# Altium PCB Dashcam_V2.0B.PcbDoc (part 6 of 8) (continued)
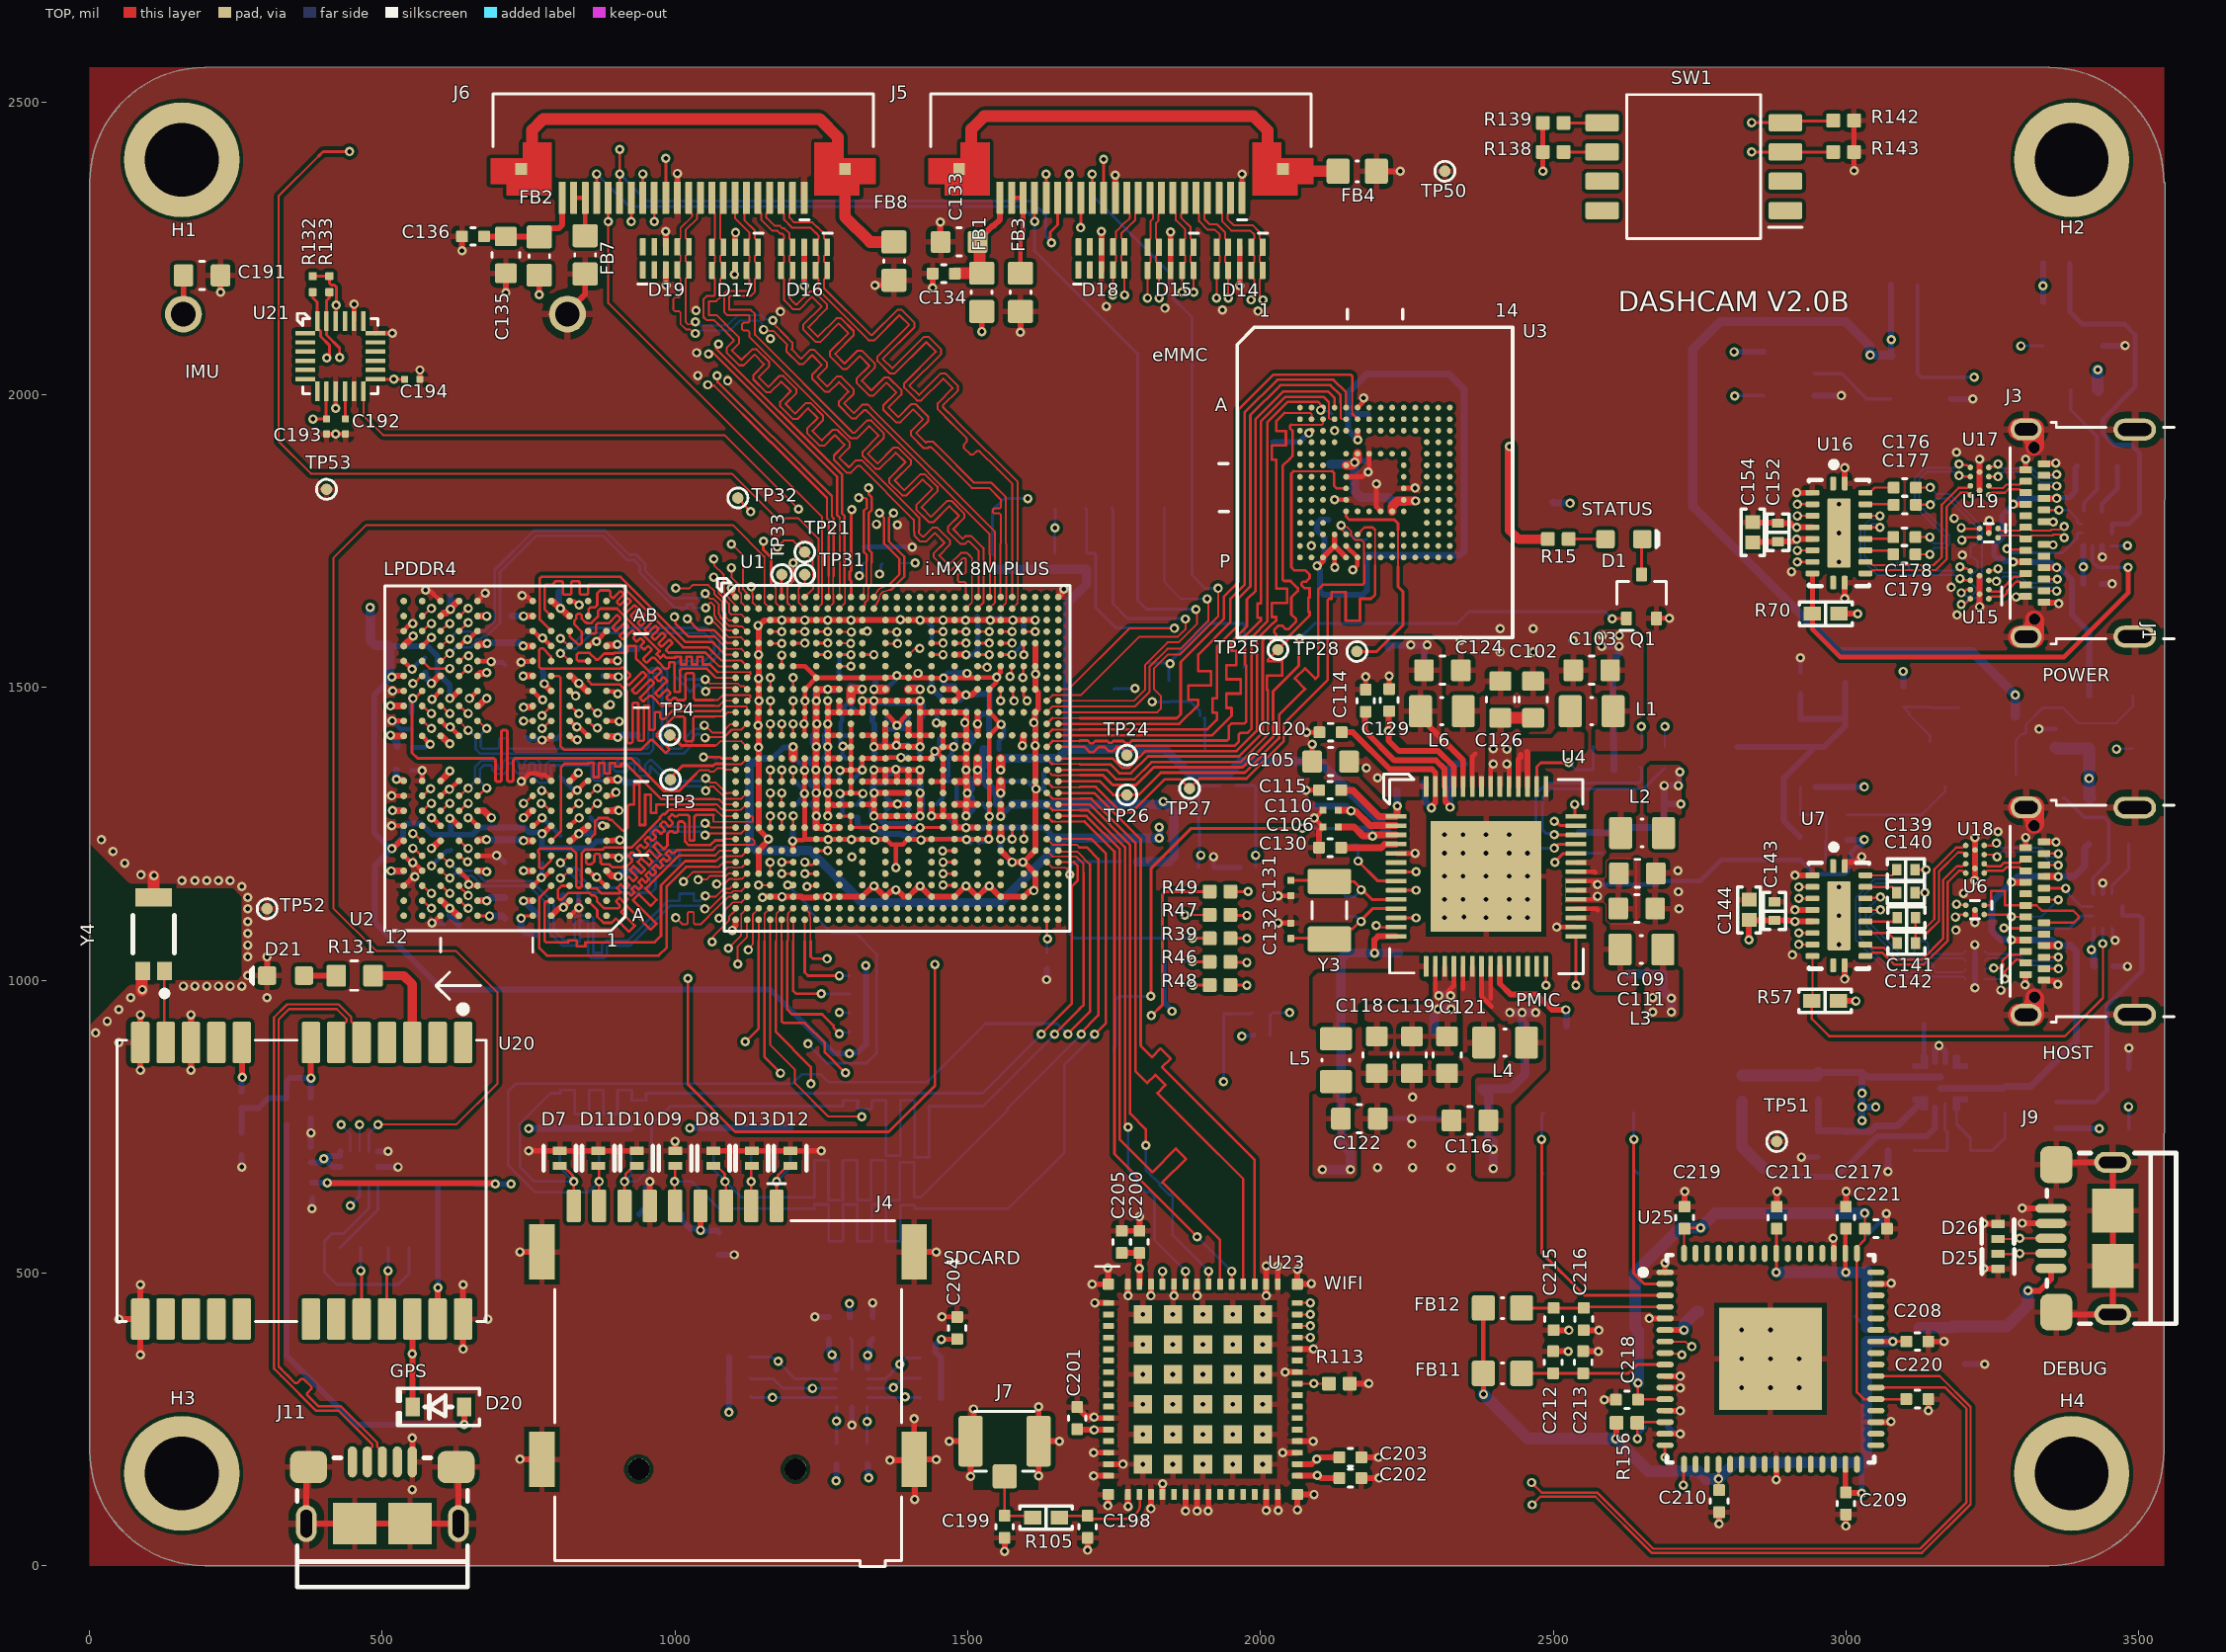
[diagram p0: TOP view]
## Nets (pads, with @x,y where several pads share a name; then routed paths per layer and width w, separated by ;. In a path a pad name is that pad's centre, name@x,y a point inside that pad or via, vN(x,y) a via of type N, cw(c..) or ccw(c..) an arc to the next point about the centre after c; other vN are vias at no path point) (continued)
NetU10_4: U10.4 U11.4 | length 1074.7
  L3_IN1 w4.72: v1(2810,1998) 2922,1998 3030,1890 3030,1728 3246,1512 3345,1512 v1(3462,1395)
  BOTTOM w4.72: v1(3462,1395) 3462.65,1395.65 U10.4@3490.16,1395.65
  BOTTOM w6: v1(2810,1998) 2810.6,1998.6 U11.4@2859.35,1998.6
NetU11_2: U11.2 U14.4 | length 148.8
  BOTTOM w6: U11.2@2946,2036 2993,2036 3036.4,1992.6 U14.4@3076.82,1992.6
NVCC_DRAM_1V1: C54.2 C55.2 C56.2 C57.2 C58.2 C59.2 C60.2 C61.2 C62.2 C77.2 C78.2 C79.2 C80.2 C81.2 C82.2 C83.2 C84.2 C85.2 C86.2 C87.2 C88.2 C89.2 C90.2 C91.2 C92.2 C124.2 C125.2 L6.2 R29.1 R30.1 TP47.1 U1.AA8 U1.AA10 U1.J8 U1.J10 U1.L8 U1.N8 U1.R8 U1.U8 U1.W8 U2.A4 U2.A9 U2.AA3 U2.AA5 U2.AA8 U2.AA10 U2.AB4 U2.AB9 U2.B3 U2.B5 U2.B8 U2.B10 U2.D1 U2.D5 U2.D8 U2.D12 U2.F3 U2.F5 U2.F8 U2.F10 U2.G2 U2.H1 U2.H5 U2.H8 U2.H12 U2.K1 U2.K3 U2.K10 U2.K12 U2.N1 U2.N3 U2.N10 U2.N12 U2.R1 U2.R5 U2.R8 U2.R12 U2.T2 U2.U3 U2.U5 U2.U8 U2.U10 U2.W1 U2.W5 U2.W8 U2.W12 U4.52 | length 2218.7
  TOP w10: U2.A4@788.5,1110.24 788.9,1110.24 801.79,1123.12 807.99,1123.12 v2(809.14,1124.27) 809.14,1124.62 820,1135.48 U2.B3@820,1135.83 ; U2.N3@820,1417.33 820.4,1417.33 825.86,1411.87 831.61,1411.87 v2(832.76,1410.73) ; L6.2@2273.18,1459.52 2287.87,1444.83 2287.87,1434.39 2345.97,1376.28 U4.52@2345.97,1330.93
  TOP w11.81: v2@517.14,1468.68 536.36,1468.68 U2.R12@536.53,1468.51 ; v2@518.14,1187.68 518.81,1187.01 U2.D12@536.53,1187.01 ; v2@518.14,1289.68 536.22,1289.68 U2.H12@536.53,1289.37 ; v2@518.14,1418.68 519.49,1417.33 U2.N12@536.53,1417.33 ; v2(523.92,1343.11) 524.72,1342.31 534.77,1342.31 U2.K12@536.53,1340.55 ; U2.W12@536.53,1570.87 536.53,1570.98 552.43,1586.88 v2(552.43,1588.01) ; v2(583.77,1225.39) 584.9,1225.39 597.7,1238.19 U2.F10@599.52,1238.19 ; v2(583.77,1507.28) 584.9,1507.28 597.31,1519.69 U2.U10@599.52,1519.69 ; U2.B10@599.52,1135.83 601.34,1135.83 614.14,1123.03 v2(615.27,1123.03) ; U2.K10@599.52,1340.55 615.27,1356.3 v2(615.27,1357.34) ; U2.N10@599.52,1417.33 600.89,1417.33 614.14,1404.07 v2(615.27,1404.07) ; U2.AA10@599.52,1622.05 604.56,1627.09 608.66,1627.09 615.28,1633.7 v2(616.41,1633.7) ; v2@616.14,1122.68 616.75,1122.68 629.19,1110.24 U2.A9@631.02,1110.24 ; v2@616.4,1634.84 629.19,1647.64 U2.AB9@631.02,1647.64 ; U2.B8@662.52,1135.83 v2(678.26,1135.83) ; U2.D8@662.52,1187.01 663.17,1186.36 677.36,1186.36 v2(678.16,1185.56) ; U2.F8@662.52,1238.19 663.86,1239.53 677.23,1239.53 v2(678.03,1240.33) ; U2.H8@662.52,1289.37 673.51,1289.37 685.27,1277.61 v2(686.4,1277.61) ; U2.R8@662.52,1468.51 664.34,1468.51 677.13,1481.3 v2(678.26,1481.3) ; U2.U8@662.52,1519.69 667.31,1524.48 677.46,1524.48 v2(678.26,1525.28) ; U2.W8@662.52,1570.87 665.89,1574.24 678.16,1574.24 v2(678.96,1575.04) ; U2.AA8@662.52,1622.05 v2(678.26,1622.05) ; v2(740.54,1519.69) U2.U5@757,1519.69 ; v2(740.54,1570.87) U2.W5@757,1570.87 ; v2(741.25,1135.83) U2.B5@757,1135.83 ; v2(741.25,1187.01) U2.D5@757,1187.01 ; v2(741.25,1238.28) 741.35,1238.19 U2.F5@757,1238.19 ; v2(741.25,1466.07) 742.05,1466.87 755.36,1466.87 U2.R5@757,1468.51 ; v2(741.25,1622.05) U2.AA5@757,1622.05 ; v2(741.35,1277.7) 742.48,1277.7 754.14,1289.37 U2.H5@757,1289.37 ; U2.AB4@788.5,1647.64 790.76,1647.64 803.11,1635.28 v2(804.24,1635.28) ; v2@804.24,1634.84 805.37,1634.84 818.17,1622.05 U2.AA3@820,1622.05 ; U2.F3@820,1238.19 822.72,1238.19 834.61,1250.07 v2(835.74,1250.07) ; U2.K3@820,1340.55 820.38,1340.55 833.78,1353.95 v2(834.91,1353.95) ; U2.U3@820,1519.69 822.19,1519.69 834.6,1507.28 v2(835.73,1507.28) ; v2@835.74,1250.98 835.85,1250.87 837.67,1250.87 843.89,1257.09 844.8,1257.09 U2.G2@851.49,1263.78 ; v2@835.74,1506.89 836.87,1506.89 849.66,1494.1 U2.T2@851.49,1494.1 ; U2.D1@882.99,1187.01 891.81,1178.19 902.02,1178.19 v2(902.82,1177.39) ; U2.H1@882.99,1289.37 883.5,1289.88 894.85,1289.88 902.48,1293.33 904.14,1291.67 v2(904.14,1289.79) ; U2.K1@882.99,1340.55 884.71,1342.27 901.08,1342.27 v2(901.88,1343.07) ; U2.N1@882.99,1417.33 884.44,1415.87 901.34,1415.87 v2(902.14,1415.07) ; U2.W1@883.18,1570.68 885.19,1572.69 900.34,1572.69 v2(901.14,1573.48) ; U2.R1@886.34,1467.88 v2(889.43,1470.96) ; U1.AA8@1240,1261 1240.17,1260.83 U1.AA8@1241.25,1260.83 ; v2@1240,1399 1241.25,1397.75 U1.R8@1241.25,1378.94 ; v2(1240.46,1359.05) 1240.46,1378.45 U1.R8@1241,1379 ; U1.W8@1241,1300 1241.25,1299.75 v2@1241.25,1281.25 ; v2(1241,1320) v2@1241.25,1320.25 ; v2@1241,1360 1241.25,1359.75 U1.U8@1241.25,1339.57 ; v2(1241,1399) U1.N8@1241,1419 ; v2@1241,1475 1241.25,1474.75 U1.L8@1241.25,1457.68 1241.25,1442.75 v2@1242,1442 ; U1.W8@1241.25,1300.2 v2@1241.25,1320.25 ; U1.N8@1241.25,1418.31 1241.25,1437.25 v2(1242,1438) ; v2(1241.25,1477.36) 1242,1478.11 U1.J8@1242,1496 ; U1.J8@1241.25,1497.05 1242.3,1496 v2@1259,1496 ; v2@1242,1282 v2@1241.25,1281.25 ; v2@1242,1321 v2@1241.8,1320.8 ; U1.U8@1242,1340 1241.8,1339.8 v2@1241.8,1320.8 ; v2(1260.94,1260.83) U1.AA8@1241.25,1260.83 ; v2(1260.94,1497.05) 1260.99,1497 U1.J10@1281,1497 ; v2@1262,1261 1262.17,1260.83 U1.AA10@1280.62,1260.83 ; U1.AA8@1241.25,1260.83 v2(1241.25,1280.51) v2@1241.25,1281.25 ; v2@1241.25,1320.25 v2@1241.8,1320.8
  BOTTOM w10: C59.2@1231.13,1378.68 1231.13,1371.65 1237.47,1365.31 1237.47,1363.65 1240.46,1360.67 v2(1240.46,1359.05)
  BOTTOM w11.81: v2(514.14,1418.68) 514.14,1417.55 525.14,1406.55 C84.2@525.14,1399.68 ; v2(515.14,1186.68) 516.27,1186.68 517.18,1185.77 536.04,1185.77 C82.2@536.14,1185.67 ; v2(523.92,1343.11) 524.06,1343.24 524.06,1358.58 C83.2@524.16,1358.68 ; C86.2@573.14,1524.69 573.14,1518.65 583.77,1508.02 v2(583.77,1507.28) ; v2(615.27,1123.03) 616.07,1122.23 616.07,1109.75 C81.2@631.14,1094.68 ; C87.2@616.14,1656.68 616.14,1633.97 v2(616.41,1633.7) ; v2(678.03,1240.33) 678.41,1239.95 705.81,1239.95 C78.2@706.14,1240.28 ; v2(678.96,1575.04) 680.09,1575.04 681.62,1576.57 C77.2@709.14,1576.57 734.41,1576.57 740.12,1570.87 v2(740.54,1570.87) ; v2@680.14,1137.68 683.86,1141.39 R30.1@709.14,1141.39 ; C78.2@711.14,1239.68 738.73,1239.68 740.12,1238.28 v2(741.25,1238.28) ; C88.2@721.14,1621.68 740.88,1621.68 v2(741.25,1622.05) ; v2(741.25,1135.83) v2@742.05,1135.03 ; v2@742.14,1136.68 742.14,1135.39 R29.1@764,1113.54 ; R29.1@763.14,1112.68 R29.1@764,1113.54 ; R29.1@764.14,1111.68 R29.1@764.14,1113.39 R29.1@764,1113.54 ; R29.1@765.34,1114.88 R29.1@764,1113.54 ; C85.2@801.24,1663.68 801.24,1639.41 804.24,1636.41 v2(804.24,1635.28) ; v2(809.14,1124.27) 809.14,1144.58 C80.2@809.15,1144.68 ; v2(835.74,1250.07) 836.87,1250.07 838.38,1251.59 856.04,1251.59 C91.2@856.14,1251.69 ; v2(901.14,1573.48) 901.14,1573.41 907.88,1566.67 C92.2@936.14,1566.67 ; v2(901.88,1343.07) 902.68,1342.27 910.37,1342.27 914.97,1337.67 C90.2@936.14,1337.67 ; v2(902.14,1415.07) 903.27,1415.07 906.88,1418.69 C89.2@936.14,1418.69 ; v2(902.82,1177.39) 903.13,1177.39 912.42,1186.69 C79.2@936.14,1186.69 ; C60.2@1232.13,1338.68 1232.23,1338.58 1232.23,1335.36 1240.2,1327.39 1240.2,1320.8 v2(1241,1320) ; C61.2@1233.13,1300.68 1240.45,1293.36 v2@1240.45,1282.44 ; C57.2@1236.13,1417.68 1236.14,1404.86 v2@1241,1400.01 ; C58.2@1239.04,1259.68 1240.46,1261.09 1240.46,1279.36 v2@1240.14,1279.68 ; C56.2@1241.13,1457.68 C56.2@1241.23,1457.59 ; C56.2@1241.13,1458.68 1241.19,1458.74 v2@1241.19,1476.63 ; C54.2@1241.14,1495.68 1241.2,1495.62 v2(1241.25,1477.36) v2(1241.25,1477.36) ; v2@1261.5,1261.39 1262.87,1260.03 1264.94,1260.03 1265.21,1259.77 1281.04,1259.77 C62.2@1281.14,1259.67 ; v2@1262.07,1497.05 1263.56,1495.56 C55.2@1279.7,1495.56 ; TP47.1@2217.8,1567.52 2217.8,1571.52 TP47.1@2218.8,1572.52 ; TP47.1@2219.8,1571.52 2220.8,1572.52 v2(2256.8,1572.52) ; v2@2259.8,1572.52 v2(2284.8,1572.52) ; C125.2@2279.3,1530.52 2279.3,1565.89 2284,1570.59 v2@2284,1572.32
  other v2: 517.14,1289.68 514.14,1468.68
NVCC_SD2: C17.2 C120.1 R24.1 R107.2 R108.2 R109.2 R110.2 R111.2 R112.2 TP45.1 U1.W24 U4.55 | length 2775.6
  TOP w10: C120.1@2138.8,1423.52 2157.8,1423.52 2220.8,1360.52 2292.87,1360.52 2298.72,1354.66 U4.55@2298.72,1330.93 2298.72,1303.45 v2@2289.8,1294.52
  TOP w11.81: v2(1556,1280) 1556.21,1280.21 U1.W24@1556.21,1300.2
  L3_IN1 w7.87: v1@750.5,747.14 v1@1025.5,747.14 ; v1(1025,747.64) 1053.94,776.57 1064.96,776.57 1215.13,926.74 1451.35,926.74 1516.73,992.13 1516.73,1252.95 1524.61,1260.83 1541.6,1260.83 1551.95,1271.17 1551.95,1273.75 1556,1277.81 v2(1556,1280)
  L3_IN1 w11.81: v1(750,746.64) v1@750.5,747.14 ; v1@1025.5,747.14 v1@1025.59,747.05
  L6_PWR1 w11.81: v2(1833.8,1305.52) 2132.67,1305.52 2146.7,1319.55 2265.63,1319.55 2290.67,1294.52 v2(2291.8,1294.52)
  BOTTOM w10: v2(1556,1280) 1556,1280.3 1576.39,1300.69
  BOTTOM w11.81: v1(750,746.64) R107.2@803,746.64 R110.2@870.28,746.64 870.78,747.14 924.5,747.14 R109.2@925,747.64 ; v1(1025,747.64) R108.2@1065.81,747.64 R112.2@1131.43,747.64 R111.2@1197.05,747.64 ; TP45.1@2281.39,1332.93 2281.39,1304.93 v2(2291.8,1294.52)
  BOTTOM w15.75: 1576.39,1300.69 C17.2@1627.14,1300.69 ; C17.2@1630.14,1300.2 1828.41,1300.2 1833.73,1305.52 v2(1833.8,1305.52) 1852.14,1287.17 1852.14,1211.74 1842.92,1202.52 R24.1@1789.57,1202.52 ; TP45.1@2279.8,1334.52 TP45.1@2281.39,1332.93
NVCC_SNVS_1V8: C5.2 C106.1 R9.2 R10.2 R11.2 R40.1 TP39.1 U1.R24 U4.3 | length 1413.8
  TOP w11.81: C106.1@2132.79,1261.52 2160.18,1261.52 2174.74,1246.96 2190.81,1246.96 v2(2191.6,1246.17) ; v2@2195.19,1248.25 U4.3@2231.8,1248.25
  TOP w15.75: v2(1556.21,1359.25) U1.R24@1556.21,1378.94
  BOTTOM w10: R40.1@2166.8,1259.3 2168.43,1259.3 2168.68,1259.55 2182.98,1259.55 2190.46,1252.07 2190.46,1247.31 v2(2191.6,1246.17) 2192.75,1247.31 2201.77,1247.31 2212.01,1257.55 TP39.1@2213.7,1257.55
  BOTTOM w11.81: R11.2@1544.8,1701.52 R11.2@1545.02,1701.74 ; v2(1556.21,1359.25) 1557.01,1360.05 1557.01,1369.89 1566.06,1378.94 ; 1690.8,1664.52 1691.8,1665.52 ; 2049.8,1373.52 2049.96,1373.35
  BOTTOM w15.75: R11.2@1545.02,1701.74 R9.2@1648.8,1701.74 R10.2@1702.8,1701.74 1702.8,1676.52 1691.8,1665.52 ; 1566.06,1378.94 1630.14,1378.94 1655.21,1378.94 1670.8,1394.52 ; 1690.8,1664.52 1670.8,1644.52 1670.8,1394.52 ; 2049.8,1373.52 1966.8,1373.52 1946.83,1353.55 1877.7,1353.55 1836.73,1394.52 1670.8,1394.52 ; 2049.96,1373.35 2100.96,1373.35 2215.7,1258.61 TP39.1@2215.7,1257.55
ONOFF: R11.1 TP5.1 TP11.1 U1.G22 | length 492.6
  TOP w5: U1.G22@1516.84,1536.42 1517.85,1535.41 1531.96,1535.41 v1(1532.97,1534.4)
  L4_IN2 w5: v1(1532.97,1534.4) 1517,1550.37 1517,1737.47 v1(1602.36,1822.83)
  BOTTOM w5: TP5.1@1541.8,1759.84 1541.8,1728.2 R11.1@1544,1726 ; TP5.1@1542.27,1760.73 1542.27,1802.76 TP11.1@1542.75,1803.24 1562.35,1822.83 v1(1602.36,1822.83)
PCIE_RESREF: R4.2 U1.F16 | length 202.2
  TOP w3.35: U1.F16@1398.73,1556.1 1410.63,1568 1417,1568 v1(1418,1567)
  L4_IN2 w5: v1@1409.45,1711.61 1409.45,1709.22 1401.92,1701.69 1401.92,1583.08 v1(1418,1567)
  BOTTOM w3.35: R4.2@1386.8,1712.74 v1(1410,1712.74)
PMIC_nINT: U1.D6 U4.13 | length 1499.1
  TOP w3.35: v2(2197.8,1093.52) 2201.21,1093.52 2203.96,1090.77 U4.13@2231.8,1090.77
  TOP w4.72: U1.D6@1201.88,1595.47 v2(1221.57,1595.47)
  L4_IN2 w5: v2@1222.44,1595.47 1224.54,1595.47 1227.73,1592.28 1228.4,1592.28 1242.13,1578.56 1242.13,1525.59 1248.03,1519.69 1261.63,1519.69 1283.98,1497.33 1283.98,1470.02 1305,1449 1370.31,1449 1372.03,1450.72 1385.7,1450.72 1395.37,1441.05 1395.37,1427.39 1393.7,1425.72 1393.7,1415.35 1401.92,1407.13 1401.92,1391.79 1411.59,1382.13 1425.94,1382.13 1443.9,1364.17 1443.9,1345.47 1464.57,1324.8 1464.57,1240.16 1519.48,1185.25 1588.37,1185.25 1593.5,1180.12 1651.48,1180.12 1667.46,1164.14 1829.97,1164.14 1833.84,1168.02 1996.35,1168.02 2003.94,1160.43 2003.94,1036.39 2006.87,1033.46 2137.74,1033.46 v2(2197.8,1093.52)
PMIC_ON_REQ: R9.1 R42.1 TP13.1 U1.F22 | length 1542.7
  TOP w4.72: U1.F22@1516.84,1556.1 v2(1536.53,1556.1)
  L4_IN2 w5: v2(1536.53,1556.1) 1539.5,1556.1 1542.69,1559.29 1543.36,1559.29 1557,1572.93 1557,1680.72 v2@1649.28,1773 ; v2(1648.8,1772.52) 1971.48,1772.52 2187.98,1556.02 2286.98,1556.02 2321,1522 2562.25,1522 2650.25,1434 v2@2654,1434
  BOTTOM w3.35: R42.1@2649.7,1397.55 2650.7,1398.55 v2(2650.7,1433.55)
  BOTTOM w5: R9.1@1648.8,1729.52 v2(1648.8,1772.52) 1649.3,1773.02 1649.3,1804.02 TP13.1@1648.8,1804.52
PMIC_SCLH: U4.25
PMIC_SCLL: U4.27
PMIC_SDAH: U4.24
PMIC_SDAL: U4.26
PMIC_STBY_REQ: R43.1 TP14.1 U1.J24 | length 1482
  TOP w4.72: v2(1556.21,1477.36) U1.J24@1556.21,1497.05
  L4_IN2 w5: v2(1556.21,1477.36) 1573.85,1495 1779.3,1495 1782.82,1498.52 v2(1785.8,1498.52) 1785.8,1587.8 1884.02,1686.02 2008.98,1686.02 2159,1536 2250,1536 2368.94,1417.06 2673.06,1417.06 v2@2690,1434
  BOTTOM w3.35: R43.1@2690.7,1398.55 v2(2690.7,1433.55)
  BOTTOM w5: TP14.1@1749.8,1497.52 1750.3,1498.02 1785.3,1498.02 v2(1785.8,1498.52)
POR_B: R10.1 R47.2 TP12.1 U1.J29 | length 2578.2
  TOP w3.35: U1.J29@1654.64,1497.05 1672.05,1497.05 1776.02,1601.02 v2@1852.98,1601.02 ; v2(1870.8,1111.52) R47.2@1913.08,1111.52
  L4_IN2 w5: v2(1852.8,1601.02) 1852.8,1565.2 2026,1392 2033.75,1392 2120,1305.75 2120,1278 2248,1150 2248,1082 2311,1019 2545,1019 2560,1004 2560,973 2556,969 2515,969 2500,954 2500,931 2434,865 2046,865 1949,962 1949,996 1920,1025 1920,1077 1886.29,1110.71 1871.6,1110.71 v2(1870.8,1111.52)
  BOTTOM w5: TP12.1@1701.3,1806.02 1702.96,1804.35 1702.96,1731.35 1704.8,1729.52 1715.8,1729.52 1718.8,1726.52 1718.8,1636.2 1753.48,1601.52 1852.3,1601.52 v2(1852.8,1601.02)
PPS_GPS: R131.1 U20.3 | length 172.5
  TOP w15.75: R131.1@484.25,1007.87 536.53,1007.87 551.18,993.22 U20.3@551.18,893.7
QSPIA_DATA0: U1.R25 | length 0.2
  TOP w4.72: U1.R25@1575.9,1378.94 U1.R25@1576.03,1378.81
QSPIA_DATA1: U1.L25
QSPIA_DATA2: U1.L24
QSPIA_DATA3: U1.N24
QSPIA_DQS: U1.R26
QSPIA_nSS0: U1.L26
QSPIA_SCLK: U1.N25
RESET_GPS_3V3: R122.1 U20.8 U22.9 | length 487.6
  TOP w10: U20.8@259.84,893.7 260.26,893.28 260.26,834.52 v1(260.68,834.1)
  L4_IN2 w10: v1(260.68,834.1) 316,778.78 316,640.86 321.86,635 425.37,635 v1(445.37,615)
  BOTTOM w6: v1(445.37,615) 461.12,630.75 U22.9@461.12,654.53
  BOTTOM w10: R122.1@259.84,809.06 259.84,833.26 v1(260.68,834.1)
RF_5GHZ_WF: C198.2 R105.1 U23.20 | length 172
  TOP w4.4: R105.1@1656.5,81.89 1659.85,85.24 C198.2@1704.72,85.24 1709.96,80 1768.01,80 ccw(c1768.01,106.3) 1794.31,106.3 ; U23.20@1793.31,121.54 1794.29,120.55 1794.29,106.3
RF_5GHZ_WF_CONN: C199.2 J7.1 R105.2 | length 116.9
  TOP w4.4: J7.1@1562.99,152.56 C199.2@1562.99,85.24 1607.87,85.24 R105.2@1611.22,81.89
S_TX1_N: C177.2 U16.18 | length 38.2
  TOP w4.02: U16.18@3033.47,1812.99 C177.2@3071.65,1812.99
S_TX1_P: C176.2 U16.19 | length 51.8
  TOP w4: U16.19@3033.47,1832.68 3040.36,1832.68 3049.2,1841.52 C176.2@3081.65,1841.52
S_TX2_N: C179.2 U16.14 | length 50.3
  TOP w4.02: U16.14@3033.47,1734.25 3033.86,1733.86 3074.61,1733.86 C179.2@3081,1727.47
S_TX2_P: C178.2 U16.15 | length 48.8
  TOP w4.02: U16.15@3033.47,1753.94 3077.94,1753.94 C178.2@3081,1757
SD1_CLK: U1.W28 U23.59 | length 960.9
  TOP w3: 1644.77,1290.38 1691.8,1290.38
  TOP w4.4: U1.W28@1634.95,1300.2 1644.77,1290.38 ; 1691.8,1290.38 1705.21,1290.38 1768.46,1227.13 1768.46,754.54 v1(1774,749) ; U23.59@1872.05,480.83 v1(1872.05,503)
  BOTTOM w4.4: v1(1774,749) 1774,675 1779.5,669.5 1792.19,656.81 1789.4,654.02 1806.66,636.77 1809.44,639.56 1811,638 1819,630 1819,556.05 v1(1872.05,503)
SD1_CMD: U1.W29 U23.57 | length 960.9
  TOP w4.4: U1.W29@1654.64,1300.2 1708.12,1300.2 1777.4,1230.91 1777.4,772.02 1804,745.42 v1(1804,718) ; U23.57@1911.42,480.83 v1(1911.42,503)
  BOTTOM w4.4: v1(1804,718) 1804,676 1809,671 1828.69,651.31 1827.35,649.96 1844.6,632.71 1845.94,634.06 1847.5,632.5 1850,630 1850,564.42 v1(1911.42,503)
SD1_DATA0: U1.Y29 U23.56 | length 1056
  TOP w4.4: U1.Y29@1654.64,1280.51 1702.44,1280.51 1759.53,1223.43 1759.53,727.78 1813.65,673.65 1815.21,672.1 1855.46,712.35 1872.71,695.1 1832.46,654.84 1869.65,617.65 1931.1,556.2 U23.56@1931.1,480.83
SD1_DATA1: U1.Y28 U23.55 | length 962.8
  TOP w3: 1644.47,1271 1650.42,1271 1650.62,1270.8 1658.66,1270.8 1658.86,1271 1699.32,1271
  TOP w4.4: U1.Y28@1634.95,1280.51 1644.47,1271 ; 1699.32,1271 1750.59,1219.72 1750.59,703.14 v1(1891.73,562) ; U23.55@1950.79,480.83 v1(1950.79,503)
  BOTTOM w4.4: v1(1891.73,562) v1@1950.76,503
SD1_DATA2: U1.V29 U23.53 | length 1055.9
  TOP w4.4: U1.V29@1654.64,1319.88 1716.43,1319.88 1795.28,1241.04 1795.28,888 1813.14,870.14 1814.69,868.58 1829.45,883.34 1846.7,866.08 1831.95,851.33 1856.14,827.14 1990,693.28 1990,597 ; U23.53@1990.16,480.83 1990.16,597
SD1_DATA3: U1.V28 U23.54 | length 1056
  TOP w3: 1644.77,1310.06 1691.8,1310.06
  TOP w4.4: U1.V28@1634.95,1319.88 1644.77,1310.06 ; 1691.8,1310.06 1711.25,1310.06 1786.34,1234.98 1786.34,844.66 1805,826 1806.56,824.44 1820.37,838.26 1837.62,821.01 1823.81,807.19 1888,743 1970.47,660.53 U23.54@1970.47,480.83
SD1_DATA4: U1.U26
SD1_DATA5: U1.AA29
SD1_DATA6: U1.AA28
SD1_DATA7: U1.U25
SD1_RESET_B: U1.W25
SD1_STROBE: U1.W26
SD2_CLK: D9.2 J4.P5 U1.AB29 | length 1814
  TOP w3.35: U1.AB29@1654.64,1241.14 1704,1241.14
  TOP w4.4: v1(999.25,656) 999.25,615.52 J4.P5@1000.2,614.57 ; v1@1000.23,656 D9.2@1000.2,683.07 ; 1704,1241.14 1710.86,1241.14 1736,1216 1736,926.85 v2(1716.7,907.55)
  BOTTOM w4.4: v1(999.25,656) 1029,656 1075,610 1236,610 1238.2,610 1238.2,617.15 1262.6,617.15 1262.6,554.28 1287,554.28 1287,617.15 1311.4,617.15 1311.4,554.28 1335.8,554.28 1335.8,617.15 1360.2,617.15 1360.2,554.28 1384.6,554.28 1384.6,616.02 1409,616.02 1409,610 1440,610 1569,610 1665,706 1665,855.85 v2(1716.7,907.55)
SD2_CMD: D8.2 J4.P3 R108.1 U1.AB28 | length 1814
  TOP w3: 1644.66,1231.43 1686.38,1231.43
  TOP w3.35: U1.AB28@1634.95,1241.14 1644.66,1231.43 ; 1686.38,1231.43 1690.8,1227.02
  TOP w4.4: D8.2@1065.81,683.07 1070.73,683.07 1084.74,669.06 1084.74,656.76 v1(1085.5,656) ; J4.P3@1086.81,614.57 v1@1086.81,655.97 ; v2@1690.7,907.55 1723,939.85 1723,1207 1702.98,1227.02 1690.8,1227.02
  BOTTOM w4.4: R108.1@1065.81,702.36 1065.81,677.03 1085.5,657.34 v1(1085.5,656) ; v1@1086.84,656 1113.84,629 1235.49,629 1237.69,629 1237.69,692.66 1262.09,692.66 1262.09,624.55 1286.49,624.55 1286.49,692.66 1310.89,692.66 1310.89,624.55 1335.29,624.55 1335.29,692.66 1359.69,692.66 1359.69,624.55 1384.09,624.55 1384.09,689.24 1408.49,689.24 1408.49,629 1419,629 1450.09,660.09 1568,778 1568,781.6 v2(1693.95,907.55)
SD2_DATA0: D10.2 J4.P7 R109.1 U1.AC28 | length 1814
  TOP w3: 1644.93,1211.48 1684.77,1211.48
  TOP w3.35: U1.AC28@1634.95,1221.46 1644.93,1211.48 ; 1684.77,1211.48 1697.7,1198.55 1697.7,1182.55
  TOP w4.4: v1(913.61,656) J4.P7@913.58,614.57 J4.P7@917,611.15 ; v1(913.61,656) 915.72,658.1 915.72,669.13 929.66,683.07 D10.2@934.58,683.07 ; v2@1647.7,907.55 1690.7,950.55 1691.94,951.79 1698,957.85 1698,1183
  BOTTOM w4.4: R109.1@925,702.36 925,667.39 v1(913.61,656) 935,656 960,681 960,753 992,785 1285.14,785 1287.34,785 1287.34,794.63 1311.74,794.63 1311.74,780.19 1336.14,780.19 1336.14,794.63 1360.54,794.63 1360.54,700.02 1384.94,700.02 1384.94,794.63 1409.34,794.63 1409.34,697.54 1433.74,697.54 1433.74,785 1486.99,785 1525.9,785 v2(1648.45,907.55)
SD2_DATA1: D11.2 J4.P8 R110.1 U1.AC29 | length 1815.9
  TOP w3.35: U1.AC29@1654.64,1221.46 1656.14,1219.96 1686.59,1219.96 1709,1197.55
  TOP w4.4: D11.2@868.96,683.07 870.31,681.73 v1(870.31,656) ; J4.P8@870.28,614.57 v1@870.28,655.97 ; v2@1669.7,907.55 1709,946.85 1709,1172.22 1709,1197.55
  BOTTOM w4.4: R110.1@870.31,701.33 v1(870.31,656) 852.31,638 761,638 715,684 715,810 728.71,823.71 1200.71,823.71 1216.29,839.29 1249.71,839.29 1263.29,825.71 1429.71,825.71 1530,926 1652.75,926 v2(1671.2,907.55)
SD2_DATA2: D12.2 J4.P1 R111.1 U1.AA26 | length 1853.8
  TOP w4.4: J4.P1@1173.43,614.57 v1(1173.46,656) ; v1(1173.46,656) 1175.87,658.42 1175.87,666.82 1192.13,683.07 D12.2@1197.05,683.07 ; v2(1595.58,1241.14) U1.AA26@1595.58,1260.83
  L3_IN1 w3.6: v1(1173.46,656) 1152.46,677 1126,677 1110.11,661.11 1110.11,636.89 1152,595 1283,595 1353.5,665.5 1384.91,696.91 1423,658.82 1439.69,675.51 1394.84,720.36 1411.53,737.05 1463.92,684.65 1480.61,701.34 1428.21,753.74 1444.9,770.43 1497.3,718.03 1513.99,734.72 1461.59,787.11 1478.28,803.8 1530.67,751.41 1547.36,768.09 1501.73,813.73 1503,815 1595,907 1595,997.85 1612.7,1015.55 1612.7,1069.55 1658,1114.85 1658,1219.25 1636.11,1241.14 v2(1595.58,1241.14)
  BOTTOM w3.35: R111.1@1197.05,702.36 R111.1@1197.24,702.17
  BOTTOM w4.4: v1(1173.46,656) 1197.05,679.59 R111.1@1197.05,702.36
SD2_DATA3: D13.2 J4.P2 R112.1 U1.AA25 | length 1853.8
  TOP w4.4: J4.P2@1130.12,614.57 v1(1130.15,656) ; v1(1130.15,656) 1130.15,681.79 D13.2@1131.43,683.07 ; v2(1575.9,1241.14) U1.AA25@1575.9,1260.83
  L3_IN1 w3.6: v1(1130.15,656) 1157.31,628.84 1256.84,628.84 1379,751 1380.27,752.27 1309.56,822.98 1326.25,839.67 1405.1,760.82 1421.79,777.51 1342.94,856.36 1359.63,873.05 1438.48,794.19 1455.17,810.88 1376.31,889.73 1393,906.42 1471.85,827.57 1488.54,844.26 1448.57,884.23 1465.26,900.92 1497.09,869.09 1517.5,889.5 1545.7,917.7 1545.7,1015.55 1634.95,1104.8 1634.95,1211.62 1625.11,1221.46 1577.86,1221.46 1575.9,1223.42 v2(1575.9,1241.14)
  BOTTOM w3.35: R112.1@1130.15,701.08 R112.1@1131.43,702.36
  BOTTOM w4.4: v1(1130.15,656) R112.1@1130.15,701.08
SD2_nCD: D7.2 J4.P9 R107.1 U1.AD29 | length 1814
  TOP w3.35: U1.AD29@1654.64,1201.77 1681.48,1201.77
  TOP w4.4: D7.2@803.35,683.07 808.27,683.07 824.9,666.44 824.9,658.1 v1(827,656) ; J4.P9@826.97,614.57 v1@826.97,655.97 ; v2@1625.7,908.55 1677.96,960.81 1677.96,1160.79 1688,1170.83 1688,1195 1681,1202
  BOTTOM w4.4: R107.1@803,701.36 803,680 v1(827,656) 760,656 735,681 735,755 786.89,806.89 802,806.89 804.2,806.89 804.2,812.22 828.6,812.22 828.6,771.52 853,771.52 853,812.22 877.4,812.22 877.4,771.52 901.8,771.52 901.8,812.22 926.2,812.22 926.2,794.49 950.6,794.49 950.6,806.89 975,806.89 1525.04,806.89 v2(1625.7,907.55)
SD2_RESET_B: R24.2 R39.1 U1.AD28 | length 507.8
  TOP w3: 1644.73,1192 1667.86,1192
  TOP w3.35: U1.AD28@1634.95,1201.77 1644.73,1192 ; 1667.86,1192 1669.72,1190.14 v2(1674.29,1180.63)
  TOP w5: v2(1883.8,1071.52) R39.1@1913.08,1071.52
  BOTTOM w5: v2(1674.29,1180.63) v2@1677.7,1180.63 ; R24.2@1762.02,1202.52 1684.18,1202.52 1672.21,1190.55 1670.7,1190.55 1670.7,1187.2 1677.26,1180.63 v2@1677.7,1180.63 ; v2(1883.8,1071.52) 1681.73,1071.52 1674.29,1078.96 1674.29,1177.22 v2@1677.7,1180.63
SD2_VSEL: U1.E6 U4.29 | length 2124.3
  TOP w4.72: U1.E6@1201.88,1575.79 v2(1221.57,1575.79)
  TOP w5: v2(2538.8,991.52) 2538.88,991.61 U4.29@2538.88,1075.02
  L4_IN2 w5: v2@1221.46,1575.79 1218.59,1575.79 1215.41,1572.6 1214.74,1572.6 1205.07,1562.94 1205.07,1550.54 1191.78,1537.25 1159.9,1537.25 1154.82,1532.18 1135.99,1532.18 1126.33,1522.51 1126.33,1470.53 1126.97,1469.89 1126.97,1466.54 1133.42,1460.08 1282.6,1460.08 1303.15,1439.54 1303.15,1351.38 1318.15,1336.38 1368.35,1336.38 1401.57,1303.15 ; 1401.57,1302.76 1401.57,1215.69 1409.92,1207.34 1409.92,1206.22 1434.95,1181.19 1434.95,1150.68 1459.65,1125.98 1606.3,1125.98 1608.33,1128.02 1884.29,1128.02 1930.12,1082.19 1930.12,1027.06 1957.5,999.68 1957.5,971.63 1970.47,958.66 2004.43,958.66 2045.77,917.32 2358.27,917.32 2404.53,963.58 2483.19,963.58 2511.12,991.52 2536.8,991.52 v2@2537.4,992.13
SD2_WP: U1.AC26 | length 0
SD3_CLK: TP27.1 U1.U28 U3.M6 | length 1092.6
  TOP w3: 1644.93,1329.59 1690.87,1329.59 ; 2195.7,1708.55 2195.7,1769.55
  TOP w4.4: U1.U28@1634.95,1339.57 1644.93,1329.59 ; 1690.87,1329.59 1691.8,1330.52 1718.8,1330.52 1762.76,1286.55 1779.7,1286.55 1836.67,1343.52 1862.8,1343.52 TP27.1@1878.8,1327.52 1895.8,1344.52 1976.04,1344.52 2039.45,1407.92 2039.45,1437.45 2114.7,1512.7 2114.7,1648.97 2117.28,1651.55 2119,1651.55 2121.2,1651.55 2121.2,1662.97 2145.6,1662.97 2145.6,1614.35 2170,1614.35 2170,1651.55 2188.7,1651.55 2195,1657.85 2195.7,1658.55 2195.7,1708.55 ; U3.M6@2165.9,1761.55 2177.9,1773.55 2191.7,1773.55 2195.7,1769.55
SD3_CMD: R34.1 TP26.1 U1.U29 U3.M5 | length 1045
  TOP w3: v3@2136.41,1771.59 U3.M5@2146.55,1761.45 ; v3@2139.23,1774.4 2147.54,1774.4 2154.89,1767.05 2154.89,1758.88 2161.89,1751.88 2172.6,1751.88 2176.88,1747.6 2176.88,1745.88 2176.59,1745.59 2176.59,1718.45 2176.88,1718.16 2176.88,1707.55
  TOP w4.4: U1.U29@1654.64,1339.57 1725.75,1339.57 1748.8,1316.52 TP26.1@1771.8,1316.52 1772.14,1316.86 1792.01,1316.86 1829.73,1354.58 1973.02,1354.58 2032,1413.56 2032,1453 2075,1496 2076.56,1497.56 2058.72,1515.39 2075.97,1532.65 2093.81,1514.81 2099,1520 2099,1551 2099,1667.85 2106.7,1675.55 2173.95,1675.55 2176.88,1678.48 2176.88,1707.55 ; v3@2136.41,1771.59 2136.41,1775.41 v3(2137.83,1776.82) 2137.83,1773 v3@2139.23,1774.4
  BOTTOM w4.4: v3(2137.83,1776.82) 2162.13,1752.52 2180.89,1752.52 R34.1@2181.7,1753.33
SD3_DATA0: R33.1 TP24.1 U1.P29 U3.A3 | length 1044.4
  TOP w4.4: U1.P29@1654.64,1398.62 1699.63,1398.62 1708.7,1389.55 1714.7,1389.55 1723.7,1398.55 1733.7,1398.55 1740.7,1391.55 1747.7,1391.55 1754.7,1398.55 1762.7,1398.55 TP24.1@1768.7,1392.55 ; TP24.1@1771.8,1384.52 1787.71,1400.43 1955.59,1400.43 1962.89,1407.74 1962.89,1419.89 1965.34,1422.34 1977.49,1422.34 1984.8,1429.64 1984.8,1585.01 1985.83,1586.04 1985.83,1587.04 2011.7,1612.91 2011.7,1953.27 2046.43,1988 2063.26,1988 2063.34,1988.08 2091.3,1988.08 2091.38,1988 2098.29,1988 2104.35,1981.93 U3.A3@2106.73,1979.55 ; v3@2102.58,1973.81 U3.A3@2106.85,1978.08
  BOTTOM w4.4: v3(2102.57,1973.81) 2104.67,1971.71 2117.76,1971.71 R33.1@2121.92,1967.55
SD3_DATA1: U1.N29 U3.A4 | length 1091.2
  TOP w4.4: U1.N29@1654.64,1418.31 1917.46,1418.31 1950.7,1451.55 1950.7,1463 1950.7,1465.2 1941.65,1465.2 1941.65,1489.6 1966.21,1489.6 1966.21,1514 1941.65,1514 1941.65,1538.4 1958.78,1538.4 1958.78,1562.8 1950.7,1562.8 1950.7,1574.63 1950.7,1578.55 1976.7,1604.55 1976.7,1650.55 1991.64,1665.49 1991.64,1958.49 2038.7,2005.55 2115.7,2005.55 2126.53,1994.72 2126.53,1979.72 U3.A4@2126.7,1979.55
SD3_DATA2: U1.M29 U3.A5 | length 1092.6
  TOP w4.4: U1.M29@1654.64,1437.99 1861.14,1437.99 1893.7,1470.55 1893.7,1477 1893.7,1479.2 1876.94,1479.2 1876.94,1503.6 1915.36,1503.6 1915.36,1528 1893.7,1528 1893.7,1547.94 1893.7,1556.55 1948.7,1611.55 1948.7,1651.55 1972.7,1675.55 1972.7,1969.41 2028.84,2025.55 2124.7,2025.55 2146.22,2004.03 U3.A5@2146.22,1978.08
SD3_DATA3: U1.R29 U3.B2 | length 1092
  TOP w3: 2041,1969 2063.59,1969 2063.68,1968.91 2071.28,1968.91 2071.37,1969 2085.4,1969 2087.16,1967.24 U3.B2@2087.16,1958.4
  TOP w4.4: U1.R29@1654.64,1378.94 1747.38,1378.94 1763.8,1362.52 1774.8,1362.52 1803.77,1391.5 1959.38,1391.5 1993.8,1425.91 1993.8,1581.37 1994.76,1582.34 1994.76,1583.25 2021.06,1609.55 2021.7,1609.55 2026.7,1614.55 2026.7,1618.12 2026.7,1620.32 2019.1,1620.32 2019.1,1644.72 2045.3,1644.72 2045.3,1669.12 2026.7,1669.12 2026.7,1678.1 2026.7,1887 2026.7,1889.2 2019.1,1889.2 2019.1,1913.6 2043.38,1913.6 2043.38,1938 2026.7,1938 2026.7,1944.25 2026.7,1954.7 2041,1969
SD3_DATA4: U1.R28 U3.B3 | length 1090.8
  TOP w3: 1644.66,1369.23 1691.15,1369.23 ; 2052.28,1948.65 2104.89,1948.65 2106.85,1950.61 U3.B3@2106.85,1958.4
  TOP w4.4: U1.R28@1634.95,1378.94 1644.66,1369.23 ; 1691.15,1369.23 1691.8,1368.58 1743.73,1368.58 1758.8,1353.52 1778.8,1353.52 1807.8,1382.52 1963.04,1382.52 2003.7,1423.18 2003.7,1579.55 2008.7,1584.55 2013.7,1584.55 2017.7,1580.55 2023.77,1580.55 2026.7,1583.48 2026.7,1590.62 2023.7,1593.62 2023.7,1598.91 2030.34,1605.55 2037.7,1605.55 2043.63,1599.62 2047.77,1599.62 2060.84,1612.69 2060.84,1616.83 2052.7,1624.97 2052.7,1653.95 2063.93,1665.18 2063.93,1669.32 2051.25,1682 2040.28,1682 2037.7,1684.58 2037.7,1878.55 2049.8,1890.65 2054.7,1895.55 2054.7,1938.55 2050.52,1942.74 2050.52,1946.88 2052.28,1948.65
SD3_DATA5: U1.P28 U3.B4 | length 1091.6
  TOP w3: 1644.93,1408.6 1691.02,1408.6 ; 2116.7,1986.55 2116.7,1960.3 2118.6,1958.4 U3.B4@2126.53,1958.4
  TOP w4.4: U1.P28@1634.95,1398.62 1644.93,1408.6 ; 1691.02,1408.6 1691.8,1409.37 1704.88,1409.37 1709.63,1404.62 1713.77,1404.62 1717.7,1408.55 1738.7,1408.55 1741.63,1405.62 1745.77,1405.62 1748.7,1408.55 1765.7,1408.55 1769.7,1404.55 1775.7,1404.55 1780.52,1409.37 1942.77,1409.37 1945.7,1412.3 1945.7,1433.55 1950.7,1438.55 1972.7,1438.55 1975.8,1441.65 1975.8,1537.46 1973.7,1539.55 1973.7,1587.55 2000.57,1614.43 2000.57,1617 2000.57,1619.2 1994.77,1619.2 1994.77,1643.6 2000.57,1643.6 2000.57,1659 2000.57,1954.79 2042.4,1996.61 2107.64,1996.61 2116.7,1987.55